# KiCad board Four segments and colon.kicad_pcb (continued)
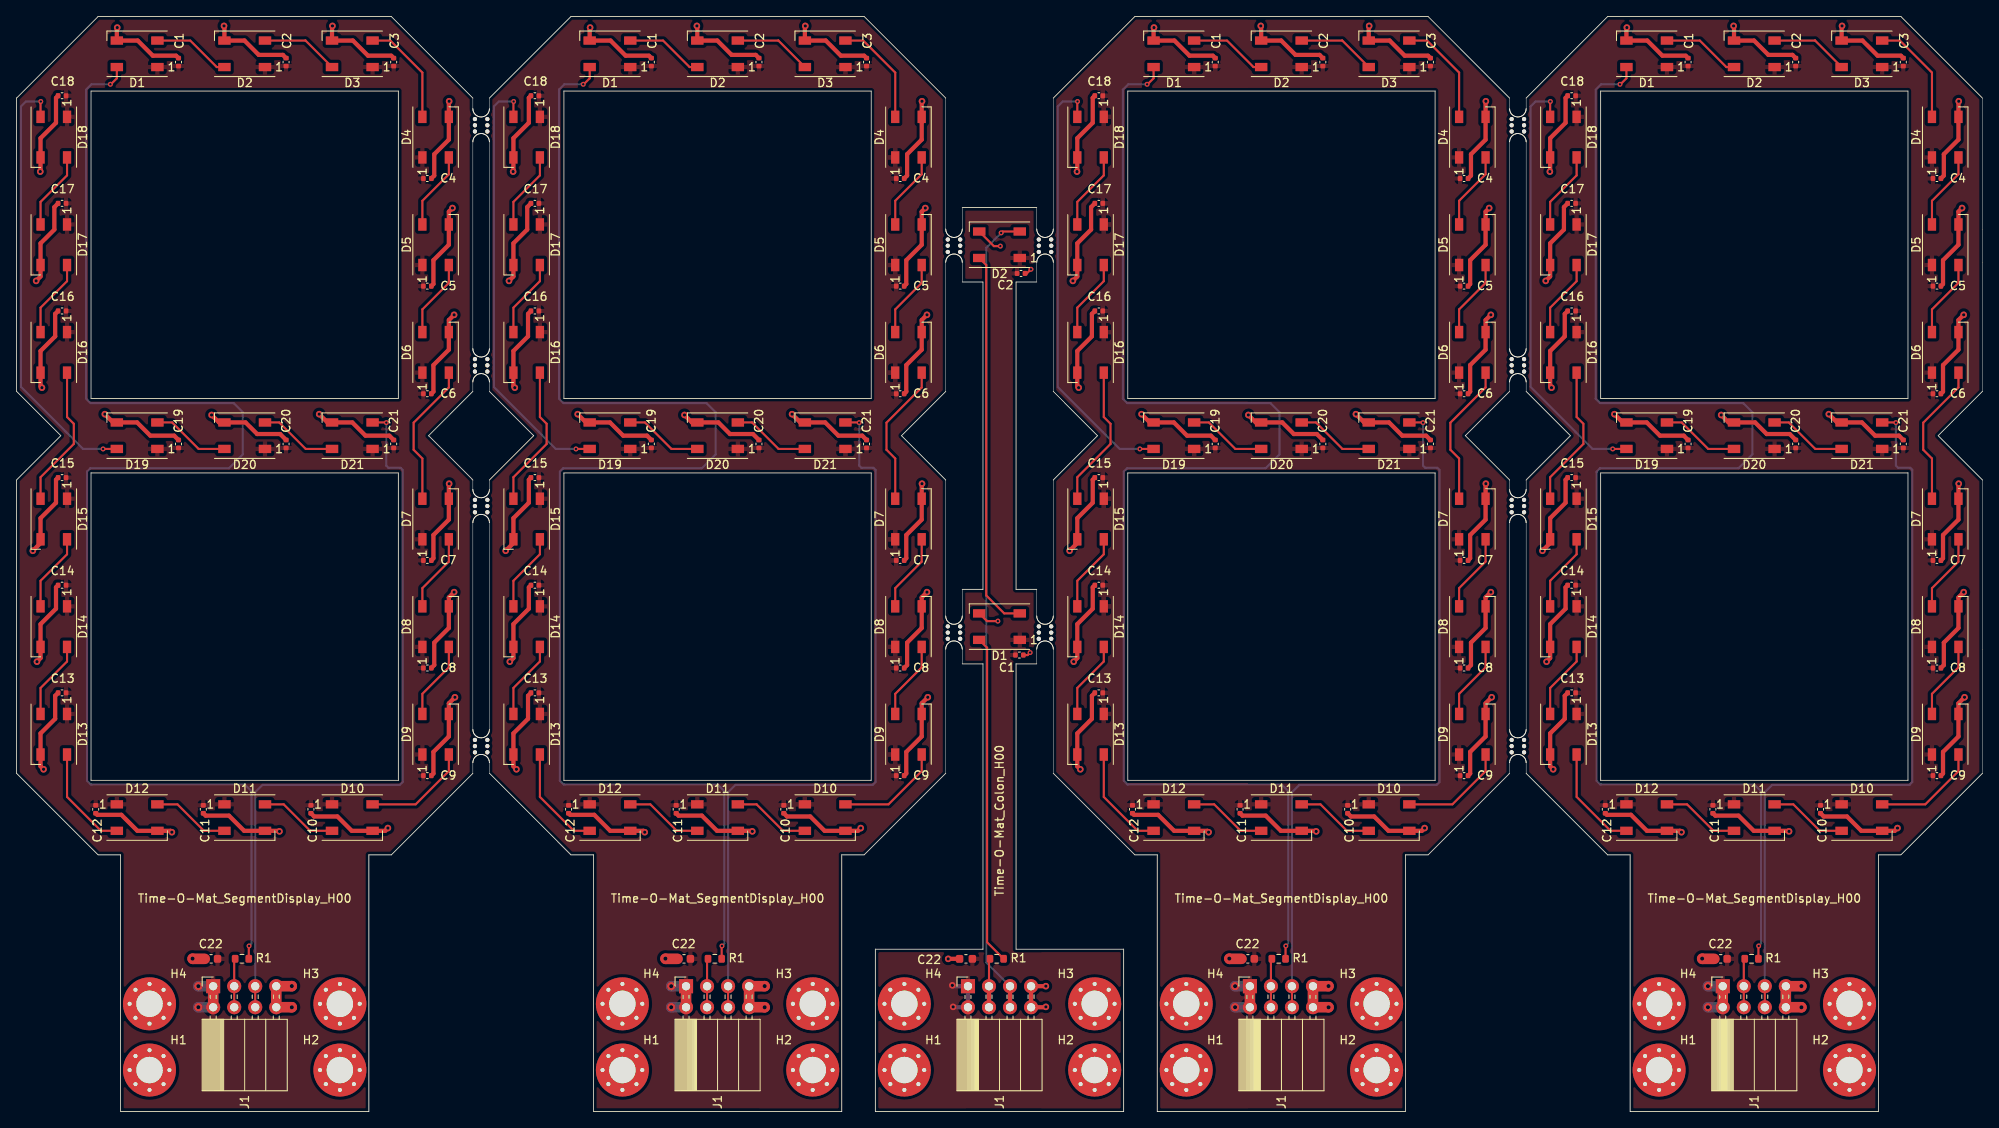
[diagram p0: board, top side]
## Placement (name value [footprint] x y rotation side) (continued)
J1#4  Conn_02x04_Odd_Even  [PinSocket_2x04_P2.54mm_Horizontal]  114.95 15.13 90 top
J1#5  Conn_02x04_Odd_Even  [PinSocket_2x04_P2.54mm_Horizontal]  206.15 15.13 90 top
mouse-bite-2mm-slot  VAL**  [mouse-bite-2mm-slot-edgecuts]  56.13 44.13 90 top
mouse-bite-2mm-slot#2  VAL**  [mouse-bite-2mm-slot-edgecuts]  113.26 104.58 90 top
mouse-bite-2mm-slot#3  VAL**  [mouse-bite-2mm-slot-edgecuts]  181.39 73.13 90 top
mouse-bite-2mm-slot#4  VAL**  [mouse-bite-2mm-slot-edgecuts]  56.13 90.13 90 top
mouse-bite-2mm-slot#5  VAL**  [mouse-bite-2mm-slot-edgecuts]  181.39 44.13 90 top
mouse-bite-2mm-slot#6  VAL**  [mouse-bite-2mm-slot-edgecuts]  181.39 119.13 90 top
mouse-bite-2mm-slot#7  VAL**  [mouse-bite-2mm-slot-edgecuts]  56.13 73.13 90 top
mouse-bite-2mm-slot#8  VAL**  [mouse-bite-2mm-slot-edgecuts]  56.13 119.13 90 top
mouse-bite-2mm-slot#9  VAL**  [mouse-bite-2mm-slot-edgecuts]  113.26 57.84 90 top
mouse-bite-2mm-slot#10  VAL**  [mouse-bite-2mm-slot-edgecuts]  124.26 57.84 90 top
mouse-bite-2mm-slot#11  VAL**  [mouse-bite-2mm-slot-edgecuts]  124.26 104.58 90 top
mouse-bite-2mm-slot#12  VAL**  [mouse-bite-2mm-slot-edgecuts]  181.39 90.13 90 top
R1  75R  [R_0603_1608Metric]  152.5 18.44 0 top
R1#2  75R  [R_0603_1608Metric]  118.43 18.44 0 top
R1#3  75R  [R_0603_1608Metric]  84.37 18.44 0 top
R1#4  75R  [R_0603_1608Metric]  27.24 18.44 0 top
R1#5  75R  [R_0603_1608Metric]  209.63 18.44 0 top

## Library data of the parts
C1 C1#2-C1#5 C2 C2#2-C2#5 C3 C3#2-C3#4 C4 C4#2-C4#4 C5 C5#2-C5#4 C6 C6#2-C6#4 C7 C7#2-C7#4 C8 C8#2-C8#4 C9 C9#2-C9#4 C10 C10#2-C10#4 C11 C11#2-C11#4 C12 C12#2-C12#4 C13 C13#2-C13#4 C14 C14#2-C14#4 C15 C15#2-C15#4 C16 C16#2-C16#4 C17 C17#2-C17#4 C18 C18#2-C18#4 C19 C19#2-C19#4 C20 C20#2-C20#4 C21 C21#2-C21#4 = -: LCSC: C1525
C22 C22#2-C22#5 = -: LCSC: C19702
D1 D1#2-D1#5 D2 D2#2-D2#5 D3 D3#2-D3#4 D4 D4#2-D4#4 D5 D5#2-D5#4 D6 D6#2-D6#4 D7 D7#2-D7#4 D8 D8#2-D8#4 D9 D9#2-D9#4 D10 D10#2-D10#4 D11 D11#2-D11#4 D12 D12#2-D12#4 D13 D13#2-D13#4 D14 D14#2-D14#4 D15 D15#2-D15#4 D16 D16#2-D16#4 D17 D17#2-D17#4 D18 D18#2-D18#4 D19 D19#2-D19#4 D20 D20#2-D20#4 D21 D21#2-D21#4 = -: LCSC: C139127
R1 R1#2-R1#5 = -: LCSC: C4275

## Footprints (pads in the part's own frame, mm; a bottom-side part is the same pattern mirrored in y, then rotated)
C_0402_1005Metric
  rrect 0.56x0.62 smd: 1(-0.48,0) 2(0.48,0)
C_0603_1608Metric
  rrect 0.9x0.95 smd: 1(-0.775,0) 2(0.775,0)
LED_WS2812B_PLCC4_5.0x5.0mm_P3.2mm
  rect 1.5x1 smd: 1(-2.45,1.6) 2(-2.45,-1.6) 3(2.45,-1.6) 4(2.45,1.6)
MountingHole_3.2mm_M3_Pad_Via
  round 0.8 hole 0.5: 1(-2.4,0) 1(-1.697,1.697) 1(-1.697,-1.697) 1(0,2.4) 1(0,-2.4) 1(1.697,1.697) 1(1.697,-1.697) 1(2.4,0)
  round 6.4 hole 3.2: 1(0,0)
mouse-bite-2mm-slot-edgecuts
  round 0.5 hole 0.5 unplated: (-0.75,0.75) (-0.75,-0.75) (0,0.75) (0,-0.75) (0.75,0.75) (0.75,-0.75)
PinSocket_2x04_P2.54mm_Horizontal
  rect 1.7x1.7 hole 1: 1(0,0)
  oval 1.7x1.7 hole 1: 2(-2.54,0) 3(0,-2.54) 4(-2.54,-2.54) 5(0,-5.08) 6(-2.54,-5.08) 7(0,-7.62) 8(-2.54,-7.62)
R_0603_1608Metric
  rrect 0.8x0.95 smd: 1(-0.825,0) 2(0.825,0)

## Nets
+5V: C1.1 C1#2.1 C1#3.1 C1#4.1 C1#5.1 C2.1 C2#2.1 C2#3.1 C2#4.1 C2#5.1 C3.1 C3#2.1 C3#3.1 C3#4.1 C4.1 C4#2.1 C4#3.1 C4#4.1 C5.1 C5#2.1 C5#3.1 C5#4.1 C6.1 C6#2.1 C6#3.1 C6#4.1 C7.1 C7#2.1 C7#3.1 C7#4.1 C8.1 C8#2.1 C8#3.1 C8#4.1 C9.1 C9#2.1 C9#3.1 C9#4.1 C10.1 C10#2.1 C10#3.1 C10#4.1 C11.1 C11#2.1 C11#3.1 C11#4.1 C12.1 C12#2.1 C12#3.1 C12#4.1 C13.1 C13#2.1 C13#3.1 C13#4.1 C14.1 C14#2.1 C14#3.1 C14#4.1 C15.1 C15#2.1 C15#3.1 C15#4.1 C16.1 C16#2.1 C16#3.1 C16#4.1 C17.1 C17#2.1 C17#3.1 C17#4.1 C18.1 C18#2.1 C18#3.1 C18#4.1 C19.1 C19#2.1 C19#3.1 C19#4.1 C20.1 C20#2.1 C20#3.1 C20#4.1 C21.1 C21#2.1 C21#3.1 C21#4.1 C22.1 C22#2.1 C22#3.1 C22#4.1 C22#5.1 D1.1 D1#2.1 D1#3.1 D1#4.1 D1#5.1 D2.1 D2#2.1 D2#3.1 D2#4.1 D2#5.1 D3.1 D3#2.1 D3#3.1 D3#4.1 D4.1 D4#2.1 D4#3.1 D4#4.1 D5.1 D5#2.1 D5#3.1 D5#4.1 D6.1 D6#2.1 D6#3.1 D6#4.1 D7.1 D7#2.1 D7#3.1 D7#4.1 D8.1 D8#2.1 D8#3.1 D8#4.1 D9.1 D9#2.1 D9#3.1 D9#4.1 D10.1 D10#2.1 D10#3.1 D10#4.1 D11.1 D11#2.1 D11#3.1 D11#4.1 D12.1 D12#2.1 D12#3.1 D12#4.1 D13.1 D13#2.1 D13#3.1 D13#4.1 D14.1 D14#2.1 D14#3.1 D14#4.1 D15.1 D15#2.1 D15#3.1 D15#4.1 D16.1 D16#2.1 D16#3.1 D16#4.1 D17.1 D17#2.1 D17#3.1 D17#4.1 D18.1 D18#2.1 D18#3.1 D18#4.1 D19.1 D19#2.1 D19#3.1 D19#4.1 D20.1 D20#2.1 D20#3.1 D20#4.1 D21.1 D21#2.1 D21#3.1 D21#4.1 J1.1 J1.2 J1#2.1 J1#2.2 J1#3.1 J1#3.2 J1#4.1 J1#4.2 J1#5.1 J1#5.2
GND: C1.2 C1#2.2 C1#3.2 C1#4.2 C1#5.2 C2.2 C2#2.2 C2#3.2 C2#4.2 C2#5.2 C3.2 C3#2.2 C3#3.2 C3#4.2 C4.2 C4#2.2 C4#3.2 C4#4.2 C5.2 C5#2.2 C5#3.2 C5#4.2 C6.2 C6#2.2 C6#3.2 C6#4.2 C7.2 C7#2.2 C7#3.2 C7#4.2 C8.2 C8#2.2 C8#3.2 C8#4.2 C9.2 C9#2.2 C9#3.2 C9#4.2 C10.2 C10#2.2 C10#3.2 C10#4.2 C11.2 C11#2.2 C11#3.2 C11#4.2 C12.2 C12#2.2 C12#3.2 C12#4.2 C13.2 C13#2.2 C13#3.2 C13#4.2 C14.2 C14#2.2 C14#3.2 C14#4.2 C15.2 C15#2.2 C15#3.2 C15#4.2 C16.2 C16#2.2 C16#3.2 C16#4.2 C17.2 C17#2.2 C17#3.2 C17#4.2 C18.2 C18#2.2 C18#3.2 C18#4.2 C19.2 C19#2.2 C19#3.2 C19#4.2 C20.2 C20#2.2 C20#3.2 C20#4.2 C21.2 C21#2.2 C21#3.2 C21#4.2 C22.2 C22#2.2 C22#3.2 C22#4.2 C22#5.2 D1.3 D1#2.3 D1#3.3 D1#4.3 D1#5.3 D2.3 D2#2.3 D2#3.3 D2#4.3 D2#5.3 D3.3 D3#2.3 D3#3.3 D3#4.3 D4.3 D4#2.3 D4#3.3 D4#4.3 D5.3 D5#2.3 D5#3.3 D5#4.3 D6.3 D6#2.3 D6#3.3 D6#4.3 D7.3 D7#2.3 D7#3.3 D7#4.3 D8.3 D8#2.3 D8#3.3 D8#4.3 D9.3 D9#2.3 D9#3.3 D9#4.3 D10.3 D10#2.3 D10#3.3 D10#4.3 D11.3 D11#2.3 D11#3.3 D11#4.3 D12.3 D12#2.3 D12#3.3 D12#4.3 D13.3 D13#2.3 D13#3.3 D13#4.3 D14.3 D14#2.3 D14#3.3 D14#4.3 D15.3 D15#2.3 D15#3.3 D15#4.3 D16.3 D16#2.3 D16#3.3 D16#4.3 D17.3 D17#2.3 D17#3.3 D17#4.3 D18.3 D18#2.3 D18#3.3 D18#4.3 D19.3 D19#2.3 D19#3.3 D19#4.3 D20.3 D20#2.3 D20#3.3 D20#4.3 D21.3 D21#2.3 D21#3.3 D21#4.3 J1.7 J1.8 J1#2.7 J1#2.8 J1#3.7 J1#3.8 J1#4.7 J1#4.8 J1#5.7 J1#5.8
Net-(D1-Pad2): D1.2 D1#2.2 D1#3.2 D1#4.2 D1#5.2 D2.4 D2#2.4 D2#3.4 D2#4.4 D2#5.4
Net-(D1-Pad4): D1.4 D1#2.4 D1#3.4 D1#4.4 D1#5.4 R1.2 R1#2.2 R1#3.2 R1#4.2 R1#5.2
Net-(D2-Pad2): D2.2 D2#2.2 D2#3.2 D2#4.2 D2#5.2 D3.4 D3#2.4 D3#3.4 D3#4.4 J1#4.5 J1#4.6
Net-(D3-Pad2): D3.2 D3#2.2 D3#3.2 D3#4.2 D4.4 D4#2.4 D4#3.4 D4#4.4
Net-(D4-Pad2): D4.2 D4#2.2 D4#3.2 D4#4.2 D5.4 D5#2.4 D5#3.4 D5#4.4
Net-(D5-Pad2): D5.2 D5#2.2 D5#3.2 D5#4.2 D6.4 D6#2.4 D6#3.4 D6#4.4
Net-(D6-Pad2): D6.2 D6#2.2 D6#3.2 D6#4.2 D7.4 D7#2.4 D7#3.4 D7#4.4
Net-(D7-Pad2): D7.2 D7#2.2 D7#3.2 D7#4.2 D8.4 D8#2.4 D8#3.4 D8#4.4
Net-(D8-Pad2): D8.2 D8#2.2 D8#3.2 D8#4.2 D9.4 D9#2.4 D9#3.4 D9#4.4
Net-(D10-Pad2): D10.2 D10#2.2 D10#3.2 D10#4.2 D11.4 D11#2.4 D11#3.4 D11#4.4
Net-(D10-Pad4): D9.2 D9#2.2 D9#3.2 D9#4.2 D10.4 D10#2.4 D10#3.4 D10#4.4
Net-(D11-Pad2): D11.2 D11#2.2 D11#3.2 D11#4.2 D12.4 D12#2.4 D12#3.4 D12#4.4
Net-(D12-Pad2): D12.2 D12#2.2 D12#3.2 D12#4.2 D13.4 D13#2.4 D13#3.4 D13#4.4
Net-(D13-Pad2): D13.2 D13#2.2 D13#3.2 D13#4.2 D14.4 D14#2.4 D14#3.4 D14#4.4
Net-(D14-Pad2): D14.2 D14#2.2 D14#3.2 D14#4.2 D15.4 D15#2.4 D15#3.4 D15#4.4
Net-(D15-Pad2): D15.2 D15#2.2 D15#3.2 D15#4.2 D16.4 D16#2.4 D16#3.4 D16#4.4
Net-(D16-Pad2): D16.2 D16#2.2 D16#3.2 D16#4.2 D17.4 D17#2.4 D17#3.4 D17#4.4
Net-(D17-Pad2): D17.2 D17#2.2 D17#3.2 D17#4.2 D18.4 D18#2.4 D18#3.4 D18#4.4
Net-(D18-Pad2): D18.2 D18#2.2 D18#3.2 D18#4.2 D19.4 D19#2.4 D19#3.4 D19#4.4
Net-(D19-Pad2): D19.2 D19#2.2 D19#3.2 D19#4.2 D20.4 D20#2.4 D20#3.4 D20#4.4
Net-(D20-Pad2): D20.2 D20#2.2 D20#3.2 D20#4.2 D21.4 D21#2.4 D21#3.4 D21#4.4
Net-(D21-Pad2): D21.2 D21#2.2 D21#3.2 D21#4.2 J1.5 J1.6 J1#2.5 J1#2.6 J1#3.5 J1#3.6 J1#5.5 J1#5.6
Net-(J1-Pad3): J1.3 J1.4 J1#2.3 J1#2.4 J1#3.3 J1#3.4 J1#4.3 J1#4.4 J1#5.3 J1#5.4 R1.1 R1#2.1 R1#3.1 R1#4.1 R1#5.1

Pads without a net: H1 1; H1#2 1; H1#3 1; H1#4 1; H1#5 1; H2 1; H2#2 1; H2#3 1; H2#4 1; H2#5 1; H3 1; H3#2 1; H3#3 1; H3#4 1; H3#5 1; H4 1; H4#2 1; H4#3 1; H4#4 1; H4#5 1

## Via types
v1: diameter 0.6, hole 0.3, Top to Bottom, 25 vias
v2: diameter 1, hole 0.5, Top to Bottom, 20 vias
v3: diameter 0.8, hole 0.4, Top to Bottom, 89 vias

## Routing (per net, layer and track width the routed paths; a pad name or vN(x,y) marks a point on that pad's centre or on a via; arc(x,y) is an arc through that point)
+5V: length 30.8
  Top w1.27: J1#5.1 J1#5.2 ; J1#3.1 J1#3.2 ; J1.1 J1.2 ; J1#2.1 J1#2.2
  Bottom w0.508: v3(113.16,12.63) 113.2,12.59 J1#4.2 J1#4.1 113.16,15.13 v3(113.06,15.23)
  Bottom w1.27: v2(79.1,15.13) 79.1,15.13 J1#2.1 ; J1#3.1 147.23,15.13 v2(147.23,15.13) ; J1#5.1 204.36,15.13 v2(204.36,15.13) ; v2(79.1,12.59) 79.1,12.59 J1#2.2 ; v2(21.97,12.59) 21.97,12.59 J1.2 ; J1#5.2 204.36,12.59 v2(204.36,12.59) ; v2(21.97,15.13) 21.97,15.13 J1.1 ; J1#3.2 147.23,12.59 v2(147.23,12.59)
GND: length 907.9
  Top w0.254: v1(122.56,101.73) 122.06,101.23 C2#4.2 ; D2#5.3 118.08,104.53 v1(118.86,104.53) ; D1.3 117.25,59.23 v1(118.56,59.23) ; v1(122.46,55.43) 122.16,55.13 C1#2.2
  Top w0.508: v3(185.46,87.43) 185.29,87.6 D16#4.3 185.29,91.87 187.06,93.63 187.06,96.34 C16#3.2 ; v3(31.77,33.83) 31.7,33.9 D11#3.3 27.5,33.9 25.67,35.73 22.85,35.73 C11.2 ; C5#3.2 107.5,99.95 107.5,102.83 109.36,104.7 D5#2.3 109.36,108.7 v3(109.8,109.13) ; v3(52.97,50.03) 52.23,49.3 D9#2.3 52.23,45.3 50.37,43.43 50.37,40.82 C9#3.2 ; v3(93.7,84.23) 94.7,83.23 D21#3.3 97.7,83.23 99.3,81.63 102.18,81.63 C21.2 ; v3(82.2,131.13) 82.25,131.08 D2#4.3 84.67,129.36 86.4,127.63 89.31,127.63 C2#5.2 ; C11#4.2 79.99,35.73 82.8,35.73 84.63,33.9 D11#2.3 88.83,33.9 v3(88.9,33.83) ; C13#4.2 187.06,50.21 187.06,47.43 185.29,45.67 D13#3.3 185.29,41.7 v3(185.66,41.33) ; C3.2 102.41,127.53 99.6,127.53 97.77,129.36 D3.3 95.25,131.08 v3(95.3,131.13) ; v3(10.67,84.23) 11.67,83.23 D19.3 14.57,83.23 16.17,81.63 19.05,81.63 C19#2.2 ; C5.2 232.76,99.95 232.76,102.83 234.62,104.7 D5.3 234.62,108.7 v3(235.06,109.13) ; v3(184.86,54.33) 185.29,54.77 D14.3 185.29,58.87 187.16,60.73 187.16,63.31 C14.2 ; v3(185.26,113.53) 185.29,113.57 D18#2.3 185.29,117.57 187.16,119.43 187.16,122.44 C18#3.2 ; v3(234.66,75.83) 234.62,75.8 D7#3.3 234.62,71.5 232.76,69.63 232.76,66.82 C7#4.2 ; v3(235.26,96.23) 234.62,95.6 D6#4.3 234.62,92.02 232.76,90.16 232.76,86.95 C6#4.2 ; v3(69.3,130.93) 69.25,130.88 D1#4.3 71.77,129.36 73.6,127.53 76.41,127.53 C1#3.2 ; v3(127.63,100.33) 128.16,100.87 D17#2.3 128.16,104.87 129.83,106.53 129.83,109.24 C17.2 ; v3(128.53,41.33) 128.16,41.7 D13#4.3 128.16,45.67 129.93,47.43 129.93,50.21 C13#3.2 ; v3(148.83,84.13) 149.73,83.23 D20#2.3 152.93,83.23 154.33,81.83 157.11,81.83 C20#3.2 ; C17#3.2 4.57,109.24 4.57,106.53 2.9,104.87 D17.3 2.9,100.87 v3(2.37,100.33) ; C9.2 232.76,40.82 232.76,43.43 234.62,45.3 D9.3 234.62,49.3 v3(235.36,50.03) ; v3(214.16,33.83) 214.09,33.9 D11.3 209.89,33.9 208.06,35.73 205.25,35.73 C11#3.2 ; v3(178.13,62.73) 177.49,62.1 D8#4.3 177.49,58.4 175.73,56.63 175.73,53.92 C8#2.2 ; C15#3.2 187.16,76.31 187.16,73.53 185.29,71.67 D15#4.3 185.29,68.67 v3(184.36,67.73) ; v3(3.07,87.43) 2.9,87.6 D16#3.3 2.9,91.87 4.67,93.63 4.67,96.34 C16#2.2 ; C8#4.2 107.6,53.92 107.6,56.63 109.36,58.4 D8.3 109.36,62.1 v3(110,62.73) ; v3(128.13,113.53) 128.16,113.57 D18#3.3 128.16,117.57 130.03,119.43 130.03,122.44 C18.2 ; v3(59.5,100.33) 60.03,100.87 D17#4.3 60.03,104.87 61.7,106.53 61.7,109.24 C17#2.2 ; C3#2.2 170.54,127.53 167.73,127.53 165.89,129.36 D3#2.3 163.38,131.08 v3(163.43,131.13) ; C2#3.2 157.44,127.63 154.53,127.63 152.79,129.36 D2#2.3 150.38,131.08 v3(150.33,131.13) ; C14#2.2 61.9,63.31 61.9,60.73 60.03,58.87 D14#4.3 60.03,54.77 v3(59.6,54.33) ; C21#3.2 227.44,81.63 224.56,81.63 222.96,83.23 D21#4.3 219.96,83.23 v3(218.96,84.23) ; C12#3.2 192.15,35.83 195.06,35.83 196.99,33.9 D12#3.3 200.99,33.9 v3(201.16,33.73) ; v3(52.87,96.23) 52.23,95.6 D6.3 52.23,92.02 50.37,90.16 50.37,86.95 C6#2.2 ; v3(23.57,84.13) 24.47,83.23 D20#4.3 27.67,83.23 29.07,81.83 31.85,81.83 C20#4.2 ; v3(60,113.53) 60.03,113.57 D18.3 60.03,117.57 61.9,119.43 61.9,122.44 C18#4.2 ; v3(144.03,33.73) 143.86,33.9 D12.3 139.86,33.9 137.93,35.83 135.01,35.83 C12#2.2 ; v3(178.23,50.03) 177.49,49.3 D9#3.3 177.49,45.3 175.63,43.43 175.63,40.82 C9#4.2 ; C15.2 61.9,76.31 61.9,73.53 60.03,71.67 D15.3 60.03,68.67 v3(59.1,67.73) ; v3(235.26,62.73) 234.62,62.1 D8#2.3 234.62,58.4 232.86,56.63 232.86,53.92 C8#3.2 ; C10#4.2 93.09,35.63 95.9,35.63 97.63,33.9 D10#3.3 101.67,33.9 v3(102,34.23) ; v3(2.47,54.33) 2.9,54.77 D14#3.3 2.9,58.87 4.77,60.73 4.77,63.31 C14#4.2 ; v3(80.7,84.13) 81.6,83.23 D20#3.3 84.8,83.23 86.2,81.83 88.98,81.83 C20.2 ; C9#2.2 107.5,40.82 107.5,43.43 109.36,45.3 D9#4.3 109.36,49.3 v3(110.1,50.03) ; C4#3.2 175.73,113.05 175.73,115.63 177.49,117.4 D4#3.3 177.49,122 v3(177.53,122.03) ; v3(135.93,84.23) 136.93,83.23 D19#2.3 139.83,83.23 141.43,81.63 144.31,81.63 C19.2 ; C4.2 232.86,113.05 232.86,115.63 234.62,117.4 D4#2.3 234.62,122 v3(234.66,122.03) ; C3#3.2 227.67,127.53 224.86,127.53 223.03,129.36 D3#3.3 220.51,131.08 v3(220.56,131.13) ; C5#4.2 50.37,99.95 50.37,102.83 52.23,104.7 D5#4.3 52.23,108.7 v3(52.67,109.13) ; C4#4.2 107.6,113.05 107.6,115.63 109.36,117.4 D4#4.3 109.36,122 v3(109.4,122.03) ; C19#3.2 201.44,81.63 198.56,81.63 196.96,83.23 D19#4.3 194.06,83.23 v3(193.06,84.23) ; v3(207.46,131.13) 207.51,131.08 D2#3.3 209.93,129.36 211.66,127.63 214.57,127.63 C2#2.2 ; v3(128.33,87.43) 128.16,87.6 D16#2.3 128.16,91.87 129.93,93.63 129.93,96.34 C16.2 ; v3(18.77,33.73) 18.6,33.9 D12#4.3 14.6,33.9 12.67,35.83 9.75,35.83 C12#4.2 ; v3(60.2,87.43) 60.03,87.6 D16.3 60.03,91.87 61.8,93.63 61.8,96.34 C16#4.2 ; v3(52.27,122.03) 52.23,122 D4.3 52.23,117.4 50.47,115.63 50.47,113.05 C4#2.2 ; v3(170.13,34.23) 169.79,33.9 D10#2.3 165.76,33.9 164.03,35.63 161.21,35.63 C10#2.2 ; C18#2.2 4.77,122.44 4.77,119.43 2.9,117.57 D18#4.3 2.9,113.57 v3(2.87,113.53) ; C8.2 50.47,53.92 50.47,56.63 52.23,58.4 D8#3.3 52.23,62.1 v3(52.87,62.73) ; v3(205.96,84.13) 206.86,83.23 D20.3 210.06,83.23 211.46,81.83 214.24,81.83 C20#2.2 ; C2.2 32.18,127.63 29.27,127.63 27.53,129.36 D2.3 25.12,131.08 v3(25.07,131.13) ; C21#2.2 45.05,81.63 42.17,81.63 40.57,83.23 D21#2.3 37.57,83.23 v3(36.57,84.23) ; v3(52.27,75.83) 52.23,75.8 D7#2.3 52.23,71.5 50.37,69.63 50.37,66.82 C7#3.2 ; C12.2 66.89,35.83 69.8,35.83 71.73,33.9 D12#2.3 75.73,33.9 v3(75.9,33.73) ; C15#2.2 4.77,76.31 4.77,73.53 2.9,71.67 D15#2.3 2.9,68.67 v3(1.97,67.73) ; C7#2.2 175.63,66.82 175.63,69.63 177.49,71.5 D7.3 177.49,75.8 v3(177.53,75.83) ; C1#5.2 144.54,127.53 141.73,127.53 139.89,129.36 D1#2.3 137.38,130.88 v3(137.43,130.93) ; v3(194.56,130.93) 194.51,130.88 D1#5.3 197.03,129.36 198.86,127.53 201.67,127.53 C1.2 ; v3(177.93,109.13) 177.49,108.7 D5#3.3 177.49,104.7 175.63,102.83 175.63,99.95 C5#2.2 ; v3(124.36,15.13) 124.36,15.13 J1#4.7 J1#4.8 124.32,12.59 v3(124.36,12.63) ; C1#4.2 19.28,127.53 16.47,127.53 14.63,129.36 D1#3.3 12.12,130.88 v3(12.17,130.93) ; C11#2.2 148.11,35.73 150.93,35.73 152.76,33.9 D11#4.3 156.96,33.9 v3(157.03,33.83) ; v3(178.13,96.23) 177.49,95.6 D6#3.3 177.49,92.02 175.63,90.16 175.63,86.95 C6#3.2 ; C3#4.2 45.28,127.53 42.47,127.53 40.63,129.36 D3#4.3 38.12,131.08 v3(38.17,131.13) ; v3(3.27,41.33) 2.9,41.7 D13#2.3 2.9,45.67 4.67,47.43 4.67,50.21 C13.2 ; v3(110,96.23) 109.36,95.6 D6#2.3 109.36,92.02 107.5,90.16 107.5,86.95 C6.2 ; C21#4.2 170.31,81.63 167.43,81.63 165.83,83.23 D21.3 162.83,83.23 v3(161.83,84.23) ; C22.2 v3(112.56,18.43) ; v3(67.8,84.23) 68.8,83.23 D19#3.3 71.7,83.23 73.3,81.63 76.18,81.63 C19#4.2 ; v3(127.73,54.33) 128.16,54.77 D14#2.3 128.16,58.87 130.03,60.73 130.03,63.31 C14#3.2 ; v3(227.26,34.23) 226.93,33.9 D10#4.3 222.89,33.9 221.16,35.63 218.35,35.63 C10#3.2 ; C10.2 35.95,35.63 38.77,35.63 40.5,33.9 D10.3 44.53,33.9 v3(44.87,34.23) ; v3(60.4,41.33) 60.03,41.7 D13.3 60.03,45.67 61.8,47.43 61.8,50.21 C13#2.2 ; C15#4.2 130.03,76.31 130.03,73.53 128.16,71.67 D15#3.3 128.16,68.67 v3(127.23,67.73) ; C17#4.2 186.96,109.24 186.96,106.53 185.29,104.87 D17#3.3 185.29,100.87 v3(184.76,100.33) ; C7.2 107.5,66.82 107.5,69.63 109.36,71.5 D7#4.3 109.36,75.8 v3(109.4,75.83)
  Top w1.27: C22#4.2 21.3,18.43 v2(21.27,18.46) ; C22#2.2 203.69,18.43 v2(203.66,18.46) ; v2(158.52,12.58) 158.51,12.59 J1#3.8 J1#3.7 158.5,15.13 v2(158.52,15.14) ; v2(90.39,15.14) 90.38,15.13 J1#2.7 J1#2.8 90.38,12.59 v2(90.39,12.58) ; v2(146.53,18.46) 146.56,18.43 C22#3.2 ; v2(33.26,15.14) 33.24,15.13 J1.7 J1.8 33.25,12.59 v2(33.26,12.58) ; v2(78.4,18.46) 78.43,18.43 C22#5.2 ; v2(215.65,15.14) 215.64,15.13 J1#5.7 J1#5.8 215.64,12.59 v2(215.65,12.58)
Net-(D1-Pad2): length 83.8
  Top w0.254: D2#3.4 206.58,126.16 203.38,129.36 D1#5.2 ; D2#4.4 81.32,126.16 78.12,129.36 D1#4.2 ; D1#3.2 20.98,129.36 24.18,126.16 D2.4 ; D1#2.2 146.24,129.36 149.44,126.16 D2#2.4 ; D2#5.4 117.16,102.25 117.16,62.33 119.33,60.17 D1.2
Net-(D1-Pad4): length 701.6
  Top w0.254: v1(193.73,124.08) 193.79,124.08 194.51,124.8 D1#5.4 ; R1#2.2 119.25,18.44 117.26,20.43 117.26,56.02 D1.4 ; R1.2 153.32,19.96 v1(153.36,19.99) ; v1(68.47,124.08) 68.53,124.08 69.25,124.8 D1#4.4 ; R1#3.2 85.19,19.96 v1(85.23,19.99) ; v1(28.1,19.99) 28.06,19.96 R1#4.2 ; R1#5.2 210.45,19.96 v1(210.49,19.99) ; D1#3.4 12.12,124.8 11.4,124.08 v1(11.34,124.08) ; D1#2.4 137.38,124.8 136.66,124.08 v1(136.6,124.08)
  Bottom w0.254: v1(85.23,19.99) 85.51,20.28 85.51,38.68 84.7,39.5 66.1,39.5 65.65,39.95 65.65,77.29 66.06,77.7 82.8,77.7 84.47,79.37 84.47,84.46 83.36,85.57 66.07,85.57 65.54,86.1 65.54,123.43 66.19,124.08 v1(68.47,124.08) ; v1(136.6,124.08) 134.32,124.08 133.67,123.43 133.67,86.1 134.2,85.57 151.49,85.57 152.6,84.46 152.6,79.37 150.93,77.7 134.19,77.7 133.78,77.29 133.78,39.95 134.23,39.5 152.83,39.5 153.64,38.68 153.64,20.28 v1(153.36,19.99) ; v1(210.49,19.99) 210.77,20.28 210.77,38.68 209.96,39.5 191.36,39.5 190.91,39.95 190.91,77.29 191.32,77.7 208.06,77.7 209.73,79.37 209.73,84.46 208.62,85.57 191.33,85.57 190.8,86.1 190.8,123.43 191.45,124.08 v1(193.73,124.08) ; v1(28.1,19.99) 28.38,20.28 28.38,38.68 27.57,39.5 8.97,39.5 8.52,39.95 8.52,77.29 8.93,77.7 25.67,77.7 27.34,79.37 27.34,84.46 26.23,85.57 8.94,85.57 8.41,86.1 8.41,123.43 9.06,124.08 v1(11.34,124.08)
Net-(D2-Pad2): length 135.5
  Top w0.254: D3.4 92.04,129.37 92.03,129.36 D2#4.2 ; D2#5.2 119.13,106.3 v1(118.96,106.13) ; D2#2.2 160.16,129.36 160.17,129.37 D3#2.4 ; D2#3.2 217.29,129.36 217.3,129.37 D3#3.4 ; D2.2 34.9,129.36 34.91,129.37 D3#4.4
  Top w0.508: J1#4.5 J1#4.6
  Bottom w0.254: J1#4.5 117.16,18 117.16,104.33 v1(118.96,106.13)
Net-(D3-Pad2): length 51.9
  Top w0.254: D4.4 49.03,125.5 45.16,129.36 D3#4.2 ; D3.2 102.3,129.36 106.16,125.5 D4#4.4 ; D3#3.2 227.56,129.36 231.42,125.5 D4#2.4 ; D4#3.4 174.29,125.5 170.42,129.36 D3#2.2
Net-(D4-Pad2): length 37.7
  Top w0.254: D4.2 52.23,113.21 49.03,110.01 D5#4.4 ; D4#4.2 109.36,113.21 106.16,110.01 D5#2.4 ; D4#2.2 234.62,113.21 231.42,110.01 D5.4 ; D5#3.4 174.29,110.01 177.49,113.21 D4#3.2
Net-(D5-Pad2): length 37.7
  Top w0.254: D6.4 49.03,96.89 52.23,100.09 D5#4.2 ; D5#2.2 109.36,100.09 106.16,96.89 D6#2.4 ; D5.2 234.62,100.09 231.42,96.89 D6#4.4 ; D5#3.2 177.49,100.09 174.29,96.89 D6#3.4
Net-(D6-Pad2): length 69.7
  Top w0.254: D7#3.4 231.42,78.88 230.37,79.93 230.37,83.2 234.62,87.46 D6#4.2 ; D7#2.4 49.03,78.88 47.98,79.93 47.98,83.2 52.23,87.46 D6.2 ; D7.4 174.29,78.88 173.24,79.93 173.24,83.2 177.49,87.46 D6#3.2 ; D6#2.2 109.36,87.46 105.11,83.2 105.11,79.93 106.16,78.88 D7#4.4
Net-(D7-Pad2): length 37.7
  Top w0.254: D7#3.2 234.62,66.42 231.42,63.22 D8#2.4 ; D8#4.4 174.29,63.22 177.49,66.42 D7.2 ; D8#3.4 49.03,63.22 52.23,66.42 D7#2.2 ; D8.4 106.16,63.22 109.36,66.42 D7#4.2
Net-(D8-Pad2): length 37.7
  Top w0.254: D8#3.2 52.23,53.65 49.03,50.45 D9#2.4 ; D9.4 231.42,50.45 234.62,53.65 D8#2.2 ; D9#3.4 174.29,50.45 177.49,53.65 D8#4.2 ; D8.2 109.36,53.65 106.16,50.45 D9#4.4
Net-(D10-Pad2): length 37.7
  Top w0.254: D10#4.2 217.87,33.9 214.67,37.1 D11.4 ; D10.2 35.48,33.9 32.28,37.1 D11#3.4 ; D10#3.2 92.61,33.9 89.41,37.1 D11#2.4 ; D10#2.2 160.74,33.9 157.54,37.1 D11#4.4
Net-(D10-Pad4): length 51.5
  Top w0.254: D10#4.4 230.62,37.1 234.62,41.11 D9.2 ; D10.4 48.22,37.1 52.23,41.11 D9#2.2 ; D9#4.2 109.36,41.11 105.36,37.1 D10#3.4 ; D9#3.2 177.49,41.11 173.48,37.1 D10#2.4
Net-(D11-Pad2): length 37.7
  Top w0.254: D11#2.2 79.77,33.9 76.57,37.1 D12#2.4 ; D12.4 144.7,37.1 147.9,33.9 D11#4.2 ; D11.2 205.03,33.9 201.83,37.1 D12#3.4 ; D12#4.4 19.44,37.1 22.64,33.9 D11#3.2
Net-(D12-Pad2): length 51.3
  Top w0.254: D13#3.4 188.49,38 192.59,33.9 D12#3.2 ; D13.4 63.23,38 67.33,33.9 D12#2.2 ; D12.2 135.46,33.9 131.36,38 D13#4.4 ; D12#4.2 10.2,33.9 6.1,38 D13#2.4
Net-(D13-Pad2): length 37.7
  Top w0.254: D14#3.4 6.1,54.36 2.9,51.16 D13#2.2 ; D13#3.2 185.29,51.16 188.49,54.36 D14.4 ; D13#4.2 128.16,51.16 131.36,54.36 D14#2.4 ; D14#4.4 63.23,54.36 60.03,51.16 D13.2
Net-(D14-Pad2): length 37.7
  Top w0.254: D15.4 63.23,67.31 60.03,64.11 D14#4.2 ; D15#3.4 131.36,67.31 128.16,64.11 D14#2.2 ; D15#4.4 188.49,67.31 185.29,64.11 D14.2 ; D15#2.4 6.1,67.31 2.9,64.11 D14#3.2
Net-(D15-Pad2): length 68.9
  Top w0.254: D16#2.4 131.36,83.89 132.18,83.07 132.18,80.63 128.16,76.62 D15#3.2 ; D15#4.2 185.29,76.62 189.31,80.63 189.31,83.07 188.49,83.89 D16#4.4 ; D16#3.4 6.1,83.89 6.92,83.07 6.92,80.63 2.9,76.62 D15#2.2 ; D15.2 60.03,76.62 64.05,80.63 64.05,83.07 63.23,83.89 D16.4
Net-(D16-Pad2): length 37.7
  Top w0.254: D17#4.4 63.23,100.3 60.03,97.1 D16.2 ; D16#4.2 185.29,97.1 188.49,100.3 D17#3.4 ; D17.4 6.1,100.3 2.9,97.1 D16#3.2 ; D16#2.2 128.16,97.1 131.36,100.3 D17#2.4
Net-(D17-Pad2): length 37.7
  Top w0.254: D17.2 2.9,109.88 6.1,113.08 D18#4.4 ; D18.4 63.23,113.08 60.03,109.88 D17#4.2 ; D18#3.4 131.36,113.08 128.16,109.88 D17#2.2 ; D17#3.2 185.29,109.88 188.49,113.08 D18#2.4
Net-(D18-Pad2): length 212.3
  Top w0.254: D19#4.4 v1(192.85,80.03) ; v1(185.32,122) 185.29,121.98 D18#2.2 ; v1(60.06,122) 60.03,121.98 D18.2 ; D19.4 v1(10.46,80.03) ; v1(128.19,122) 128.16,121.98 D18#3.2 ; D19#2.4 v1(135.72,80.03) ; D19#3.4 v1(67.59,80.03) ; v1(2.93,122) 2.9,121.98 D18#4.2
  Bottom w0.254: v1(67.59,80.03) 65.16,80.03 57.67,87.52 57.67,121.4 58.27,122 v1(60.06,122) ; v1(192.85,80.03) 190.42,80.03 182.93,87.52 182.93,121.4 183.53,122 v1(185.32,122) ; v1(128.19,122) 126.4,122 125.8,121.4 125.8,87.52 133.29,80.03 v1(135.72,80.03) ; v1(10.46,80.03) 8.03,80.03 0.54,87.52 0.54,121.4 1.14,122 v1(2.93,122)
Net-(D19-Pad2): length 37.7
  Top w0.254: D19#4.2 201.19,83.23 204.39,80.03 D20.4 ; D20#4.4 22,80.03 18.8,83.23 D19.2 ; D20#2.4 147.26,80.03 144.06,83.23 D19#2.2 ; D19#3.2 75.93,83.23 79.13,80.03 D20#3.4
Net-(D20-Pad2): length 37.7
  Top w0.254: D20#3.2 88.87,83.23 92.07,80.03 D21#3.4 ; D21.4 160.2,80.03 157,83.23 D20#2.2 ; D20.2 214.13,83.23 217.33,80.03 D21#4.4 ; D21#2.4 34.94,80.03 31.74,83.23 D20#4.2
Net-(D21-Pad2): length 364.3
  Top w0.254: v1(227.07,83.21) 227.05,83.23 D21#4.2 ; v1(169.94,83.21) 169.92,83.23 D21.2 ; D21#2.2 44.66,83.23 v1(44.68,83.21) ; J1#5.5 J1#5.6 ; D21#3.2 101.79,83.23 v1(101.81,83.21) ; J1.5 J1.6 ; J1#3.5 J1#3.6 ; J1#2.5 J1#2.6
  Bottom w0.254: J1.5 28.84,38.56 29.73,39.45 46.32,39.45 46.66,39.79 46.66,77.5 46.41,77.75 44.94,77.75 44.68,78.01 v1(44.68,83.21) ; v1(169.94,83.21) 169.94,78.01 170.2,77.75 171.67,77.75 171.92,77.5 171.92,39.79 171.58,39.45 154.99,39.45 154.1,38.56 J1#3.5 ; J1#2.5 85.97,38.56 86.86,39.45 103.45,39.45 103.79,39.79 103.79,77.5 103.54,77.75 102.07,77.75 101.81,78.01 v1(101.81,83.21) ; J1#5.5 211.23,38.56 212.12,39.45 228.71,39.45 229.05,39.79 229.05,77.5 228.8,77.75 227.33,77.75 227.07,78.01 v1(227.07,83.21)
Net-(J1-Pad3): length 29.5
  Top w0.254: R1#5.1 208.69,18.33 J1#5.3 J1#5.4 ; J1.4 J1.3 26.3,18.33 R1#4.1 ; J1#2.4 J1#2.3 83.43,18.33 R1#3.1 ; R1#2.1 117.49,18.33 J1#4.3 ; R1.1 151.56,18.33 J1#3.3 J1#3.4
  Top w0.508: J1#4.3 J1#4.4

## Copper pours and planes (outline as drawn; the poured copper is in the pictures)
+5V on Top: 182.83,-5.37 123.83,-5.37 123.83,133.63 182.83,133.63
+5V on Top: 148.76,-5.37 89.76,-5.37 89.76,133.63 148.76,133.63
+5V on Top: 239.96,-5.37 180.96,-5.37 180.96,133.63 239.96,133.63
+5V on Top: 57.57,-5.37 -1.43,-5.37 -1.43,133.63 57.57,133.63
+5V on Top: 114.7,-5.37 55.7,-5.37 55.7,133.63 114.7,133.63
GND on Bottom: 57.57,-5.37 -1.43,-5.37 -1.43,133.63 57.57,133.63
GND on Bottom: 182.83,-5.37 123.83,-5.37 123.83,133.63 182.83,133.63
GND on Bottom: 239.96,-5.37 180.96,-5.37 180.96,133.63 239.96,133.63
GND on Bottom: 114.7,-5.37 55.7,-5.37 55.7,133.63 114.7,133.63
GND on Bottom: 148.76,-5.37 89.76,-5.37 89.76,133.63 148.76,133.63

## Text on the board
F.Silkscreen: Time-O-Mat_SegmentDisplay_H00 | Time-O-Mat_Colon_H00
